# Altium PCB PCB2.PcbDoc (part 1 of 5) (continued)
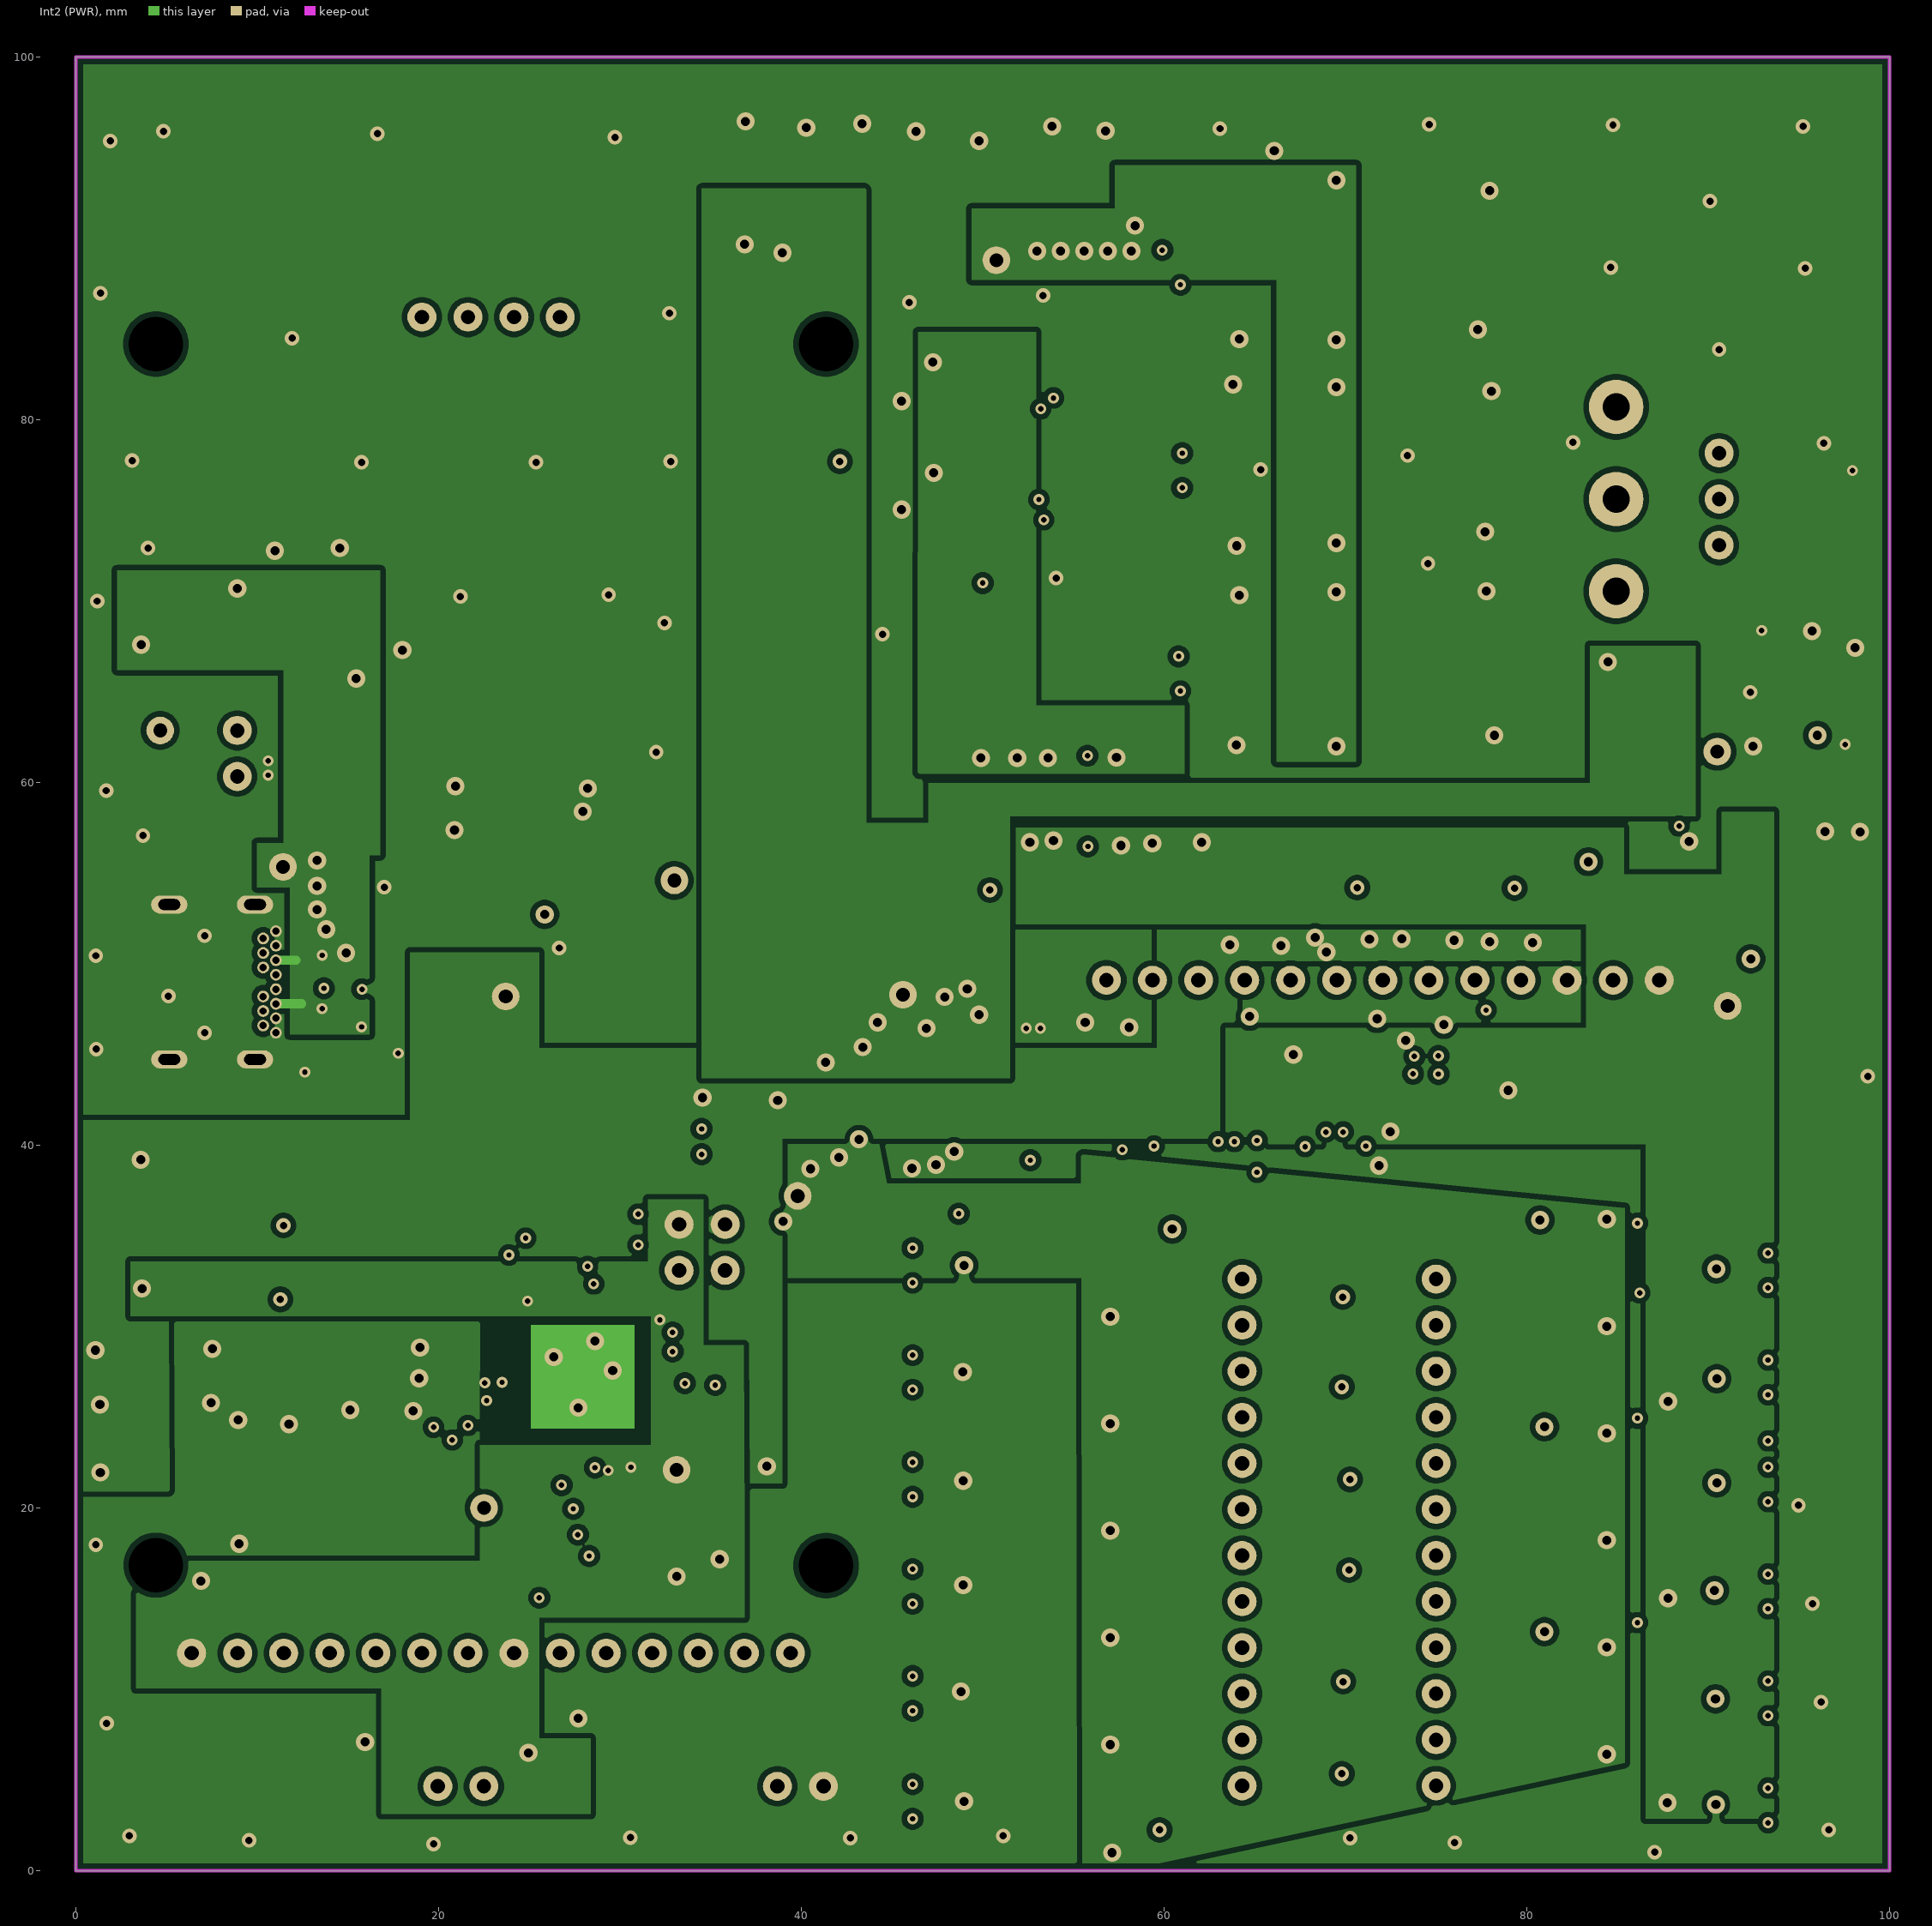
[diagram p3: Int2 (PWR)]
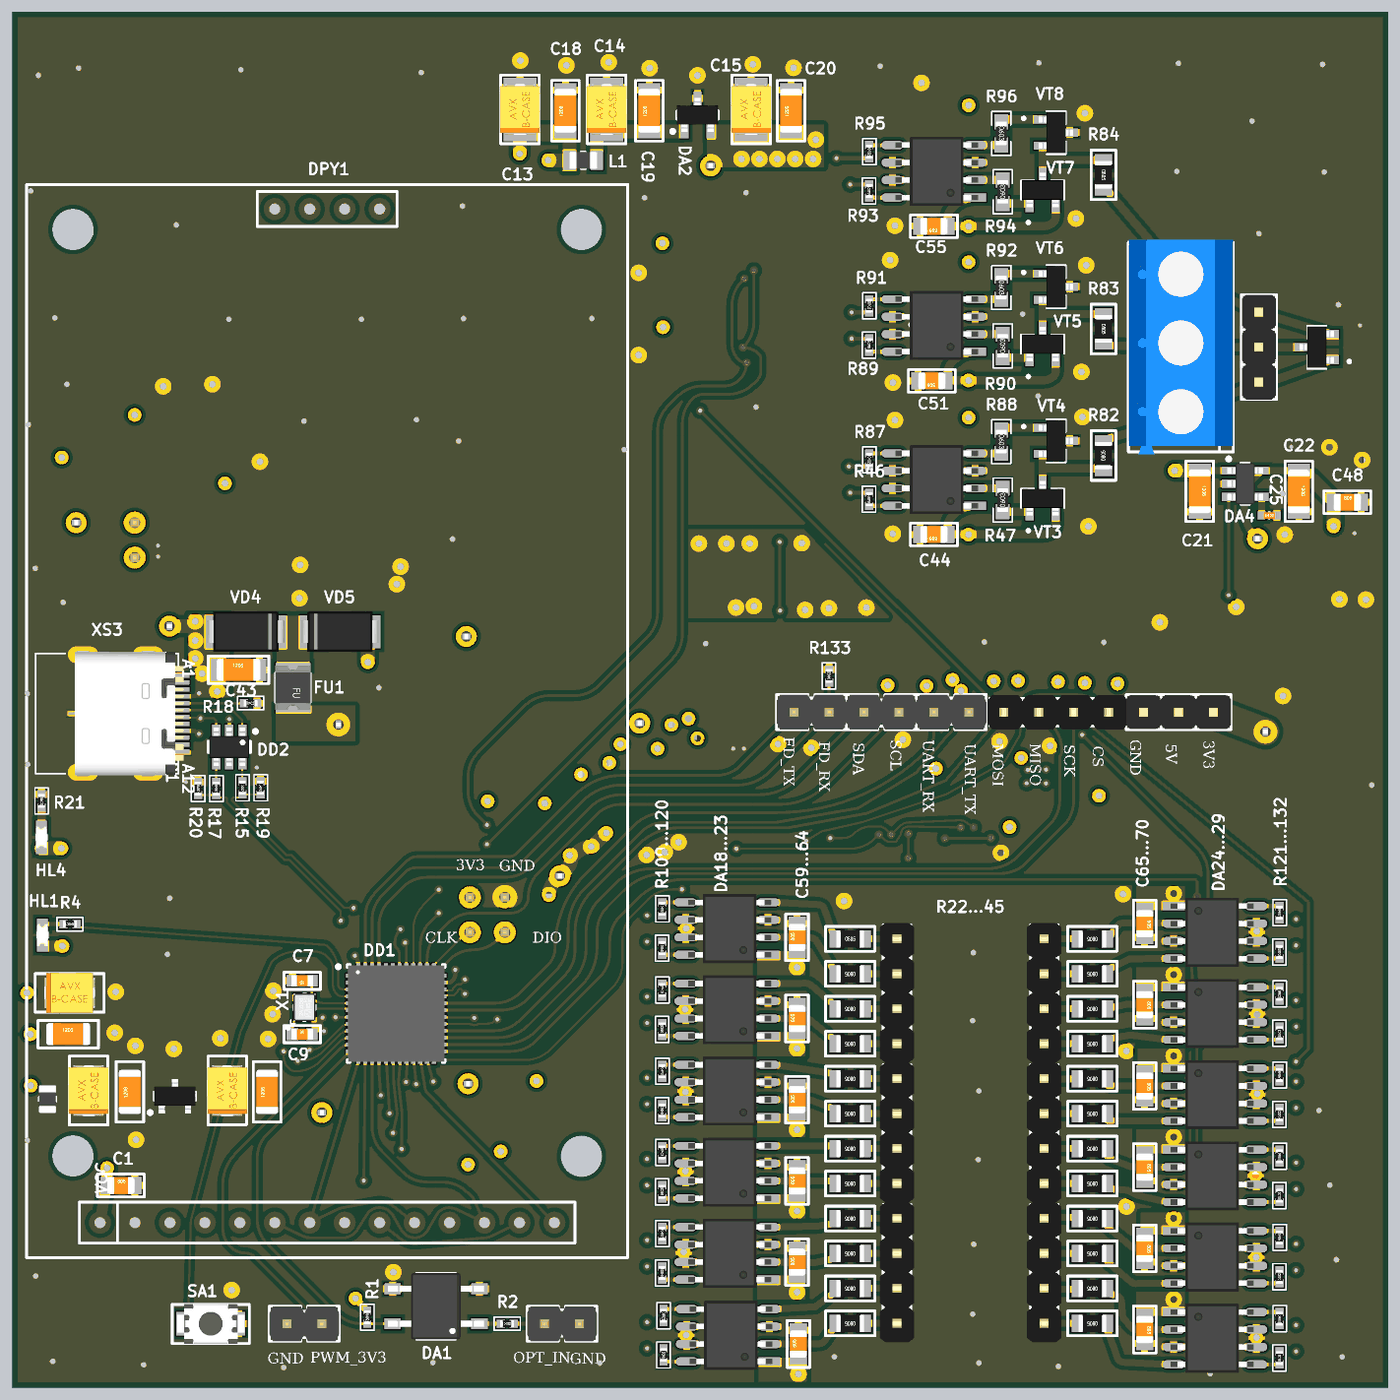
[diagram p8: 3D render of the assembled board from above, using the file's embedded part models]
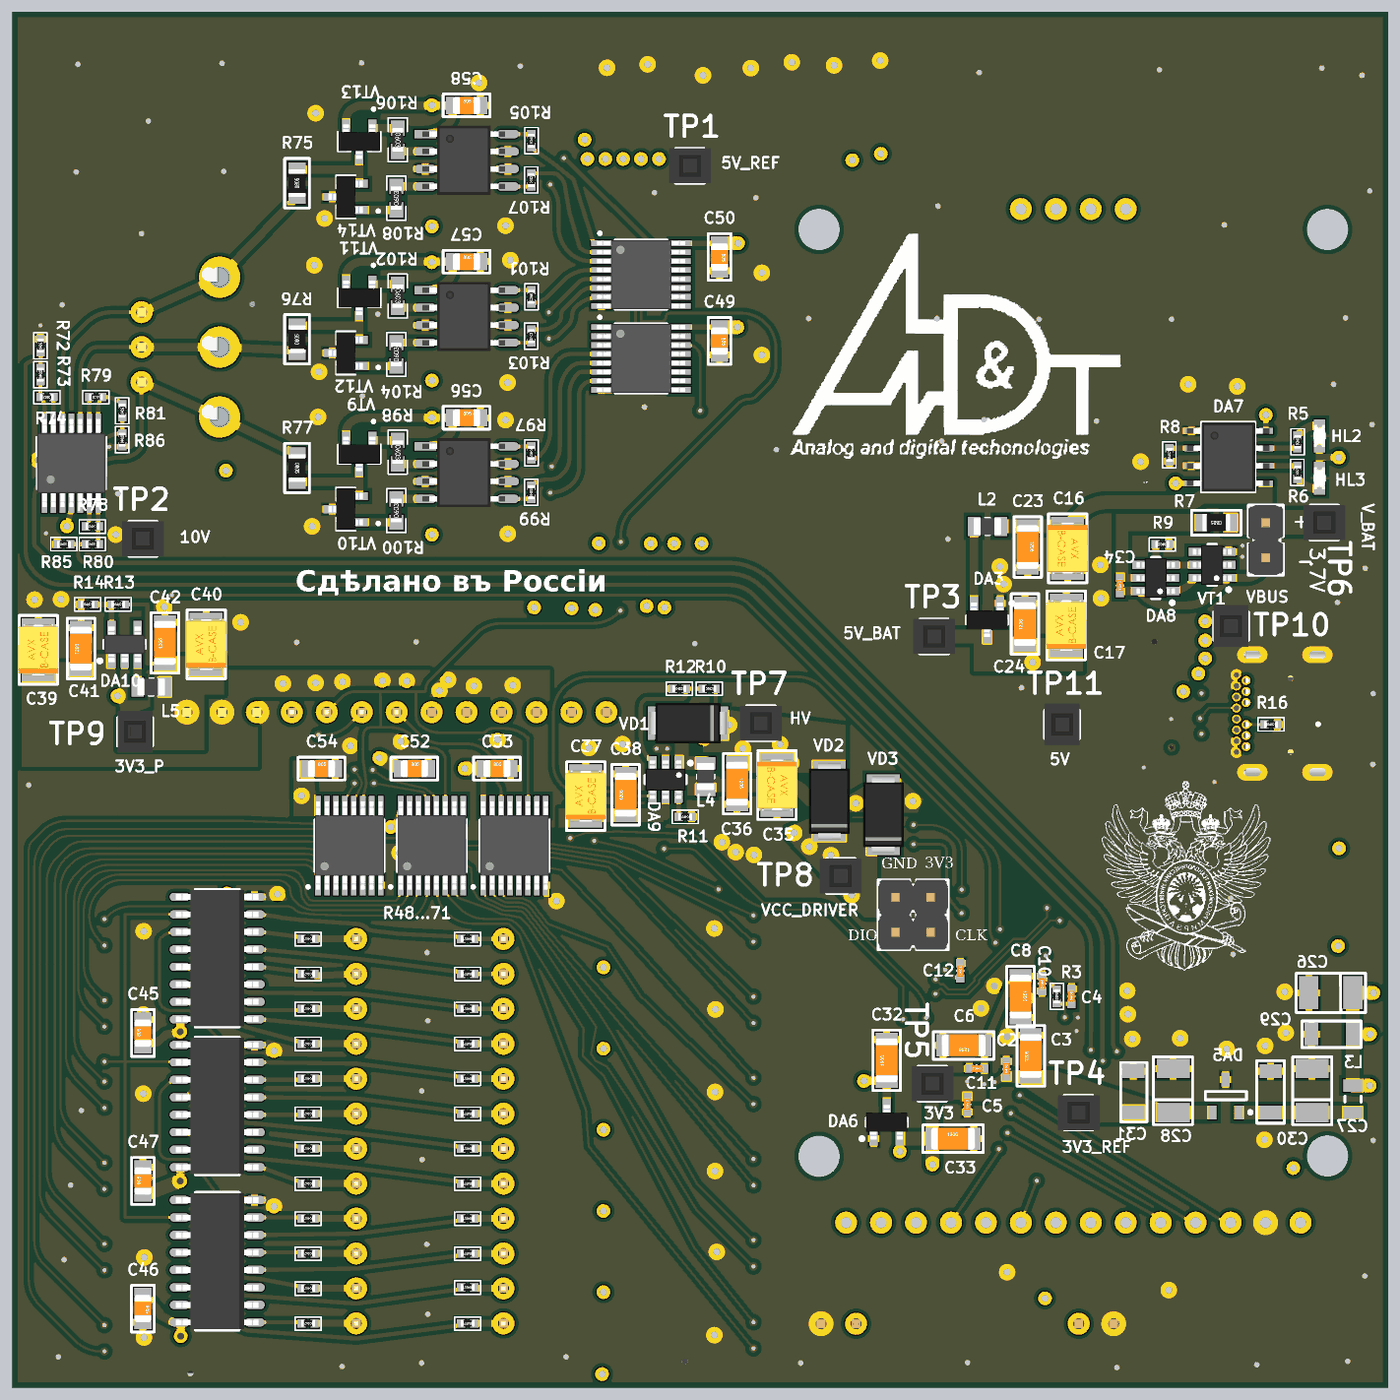
[diagram p9: 3D render of the assembled board from below, using the file's embedded part models]

## Layer stack, top to bottom
Top Solder: solder mask 0.0254, SM-001, Dk 4
Top Layer: signal copper 0.035
Dielectric 1: prepreg 0.1, PP-017, Dk 4.3
Dielectric 2: prepreg 0.1, PP-017, Dk 4.3
Int1 (GND): signal copper 0.035
Dielectric 3: core 1.065, Core-039, Dk 4.8
Int2 (PWR): signal copper 0.035
Dielectric 4: prepreg 0.1, PP-017, Dk 4.3
Dielectric 5: prepreg 0.1, PP-017, Dk 4.3
Bottom Layer: signal copper 0.035
Bottom Solder: solder mask 0.0254, SM-001, Dk 4

## Board outline
0,0 0,100 100,100 100,0

## Design rules (kind name [scope] priority, off if disabled: settings)
Clearance [All] p1: gap=0.15 ignorepadtopadclearanceinfootprint=FALSE except(0.3: Arc-Fill Arc-Poly Arc-Region Track-Fill Track-Poly Track-Region SMDPad-Fill SMDPad-Poly SMDPad-Region THPad-Fill THPad-Poly THPad-Region Via-Fill Via-Poly Via-Region Fill-Fill Fill-Poly Fill-Region Poly-Poly Poly-Region Region-Region)
ComponentClearance "Schematic Component Clearance Constraint_35" [InComponent('C51')] p1: gap=0.254 collisioncheckmode=3 verticalgap=0.254 showdistances=FALSE
ComponentClearance "Schematic Component Clearance Constraint_32" [InComponent('C56')] p2: gap=0.254 collisioncheckmode=3 verticalgap=0.254 showdistances=FALSE
ComponentClearance "Schematic Component Clearance Constraint_45" [InComponent('C60')] p3: gap=0.254 collisioncheckmode=3 verticalgap=0.254 showdistances=FALSE
ComponentClearance "Schematic Component Clearance Constraint_30" [InComponent('C55')] p4: gap=0.254 collisioncheckmode=3 verticalgap=0.254 showdistances=FALSE
ComponentClearance cont_clearance [InComponentClass('test_cont') vs InComponentClass('test_cont')] p5: gap=0 collisioncheckmode=3 verticalgap=0 showdistances=FALSE
ComponentClearance "Schematic Component Clearance Constraint_62" [InComponent('C44')] p6: gap=0.254 collisioncheckmode=3 verticalgap=0.254 showdistances=FALSE
ComponentClearance "Schematic Component Clearance Constraint_61" [InComponent('C57')] p7: gap=0.254 collisioncheckmode=3 verticalgap=0.254 showdistances=FALSE
ComponentClearance "Schematic Component Clearance Constraint_60" [InComponent('C50')] p8: gap=0.254 collisioncheckmode=3 verticalgap=0.254 showdistances=FALSE
ComponentClearance "Schematic Component Clearance Constraint_57" [InComponent('C67')] p9: gap=0.254 collisioncheckmode=3 verticalgap=0.254 showdistances=FALSE
ComponentClearance "Schematic Component Clearance Constraint_55" [InComponent('C66')] p10: gap=0.254 collisioncheckmode=3 verticalgap=0.254 showdistances=FALSE
ComponentClearance "Schematic Component Clearance Constraint_54" [InComponent('C65')] p11: gap=0.254 collisioncheckmode=3 verticalgap=0.254 showdistances=FALSE
ComponentClearance "Schematic Component Clearance Constraint_53" [InComponent('C64')] p12: gap=0.254 collisioncheckmode=3 verticalgap=0.254 showdistances=FALSE
ComponentClearance "Schematic Component Clearance Constraint_52" [InComponent('C58')] p13: gap=0.254 collisioncheckmode=3 verticalgap=0.254 showdistances=FALSE
ComponentClearance "Schematic Component Clearance Constraint_48" [InComponent('C68')] p14: gap=0.254 collisioncheckmode=3 verticalgap=0.254 showdistances=FALSE
ComponentClearance "Schematic Component Clearance Constraint_47" [InComponent('C59')] p15: gap=0.254 collisioncheckmode=3 verticalgap=0.254 showdistances=FALSE
ComponentClearance "Schematic Component Clearance Constraint_46" [InComponent('C69')] p16: gap=0.254 collisioncheckmode=3 verticalgap=0.254 showdistances=FALSE
ComponentClearance "Schematic Component Clearance Constraint_42" [InComponent('C58')] p17: gap=0.254 collisioncheckmode=3 verticalgap=0.254 showdistances=FALSE
ComponentClearance "Schematic Component Clearance Constraint_34" [InComponent('C63')] p18: gap=0.254 collisioncheckmode=3 verticalgap=0.254 showdistances=FALSE
ComponentClearance "Schematic Component Clearance Constraint_33" [InComponent('C62')] p19: gap=0.254 collisioncheckmode=3 verticalgap=0.254 showdistances=FALSE
ComponentClearance "Schematic Component Clearance Constraint_31" [InComponent('C61')] p20: gap=0.254 collisioncheckmode=3 verticalgap=0.254 showdistances=FALSE
ComponentClearance "Schematic Component Clearance Constraint_59" [InComponent('C45')] p21: gap=0.254 collisioncheckmode=3 verticalgap=0.254 showdistances=FALSE
ComponentClearance "Schematic Component Clearance Constraint_58" [InComponent('C47')] p22: gap=0.254 collisioncheckmode=3 verticalgap=0.254 showdistances=FALSE
ComponentClearance "Schematic Component Clearance Constraint_56" [InComponent('C46')] p23: gap=0.254 collisioncheckmode=3 verticalgap=0.254 showdistances=FALSE
ComponentClearance "Schematic Component Clearance Constraint_51" [InComponent('C49')] p24: gap=0.254 collisioncheckmode=3 verticalgap=0.254 showdistances=FALSE
ComponentClearance "Schematic Component Clearance Constraint_50" [InComponent('C48')] p25: gap=0.254 collisioncheckmode=3 verticalgap=0.254 showdistances=FALSE
ComponentClearance "Schematic Component Clearance Constraint_49" [InComponent('C5')] p26: gap=0.254 collisioncheckmode=3 verticalgap=0.254 showdistances=FALSE
ComponentClearance "Schematic Component Clearance Constraint_44" [InComponent('C53')] p27: gap=0.254 collisioncheckmode=3 verticalgap=0.254 showdistances=FALSE
ComponentClearance "Schematic Component Clearance Constraint_43" [InComponent('C52')] p28: gap=0.254 collisioncheckmode=3 verticalgap=0.254 showdistances=FALSE
ComponentClearance "Schematic Component Clearance Constraint_40" [InComponent('C54')] p29: gap=0.254 collisioncheckmode=3 verticalgap=0.254 showdistances=FALSE
ComponentClearance "Schematic Component Clearance Constraint_29" [InComponent('C25')] p30: gap=0.254 collisioncheckmode=3 verticalgap=0.254 showdistances=FALSE
ComponentClearance "Schematic Component Clearance Constraint_28" [InComponent('C41')] p31: gap=0.254 collisioncheckmode=3 verticalgap=0.254 showdistances=FALSE
ComponentClearance "Schematic Component Clearance Constraint_27" [InComponent('C32')] p32: gap=0.254 collisioncheckmode=3 verticalgap=0.254 showdistances=FALSE
ComponentClearance "Schematic Component Clearance Constraint_26" [InComponent('C38')] p33: gap=0.254 collisioncheckmode=3 verticalgap=0.254 showdistances=FALSE
ComponentClearance "Schematic Component Clearance Constraint_25" [InComponent('C33')] p34: gap=0.254 collisioncheckmode=3 verticalgap=0.254 showdistances=FALSE
ComponentClearance "Schematic Component Clearance Constraint_24" [InComponent('C24')] p35: gap=0.254 collisioncheckmode=3 verticalgap=0.254 showdistances=FALSE
ComponentClearance "Schematic Component Clearance Constraint_23" [InComponent('C36')] p36: gap=0.254 collisioncheckmode=3 verticalgap=0.254 showdistances=FALSE
ComponentClearance "Schematic Component Clearance Constraint_22" [InComponent('C31')] p37: gap=0.254 collisioncheckmode=3 verticalgap=0.254 showdistances=FALSE
ComponentClearance "Schematic Component Clearance Constraint_21" [InComponent('C20')] p38: gap=0.254 collisioncheckmode=3 verticalgap=0.254 showdistances=FALSE
ComponentClearance "Schematic Component Clearance Constraint_20" [InComponent('C21')] p39: gap=0.254 collisioncheckmode=3 verticalgap=0.254 showdistances=FALSE
ComponentClearance "Schematic Component Clearance Constraint_19" [InComponent('C23')] p40: gap=0.254 collisioncheckmode=3 verticalgap=0.254 showdistances=FALSE
ComponentClearance "Schematic Component Clearance Constraint_18" [InComponent('C34')] p41: gap=0.254 collisioncheckmode=3 verticalgap=0.254 showdistances=FALSE
ComponentClearance "Schematic Component Clearance Constraint_17" [InComponent('C29')] p42: gap=0.254 collisioncheckmode=3 verticalgap=0.254 showdistances=FALSE
ComponentClearance "Schematic Component Clearance Constraint_16" [InComponent('C19')] p43: gap=0.254 collisioncheckmode=3 verticalgap=0.254 showdistances=FALSE
ComponentClearance "Schematic Component Clearance Constraint_15" [InComponent('C18')] p44: gap=0.254 collisioncheckmode=3 verticalgap=0.254 showdistances=FALSE
ComponentClearance "Schematic Component Clearance Constraint_14" [InComponent('C6')] p45: gap=0.254 collisioncheckmode=3 verticalgap=0.254 showdistances=FALSE
ComponentClearance "Schematic Component Clearance Constraint_13" [InComponent('C9')] p46: gap=0.254 collisioncheckmode=3 verticalgap=0.254 showdistances=FALSE
ComponentClearance "Schematic Component Clearance Constraint_12" [InComponent('C11')] p47: gap=0.254 collisioncheckmode=3 verticalgap=0.254 showdistances=FALSE
ComponentClearance "Schematic Component Clearance Constraint_11" [InComponent('C12')] p48: gap=0.254 collisioncheckmode=3 verticalgap=0.254 showdistances=FALSE
ComponentClearance "Schematic Component Clearance Constraint_10" [InComponent('C8')] p49: gap=0.254 collisioncheckmode=3 verticalgap=0.254 showdistances=FALSE
ComponentClearance "Schematic Component Clearance Constraint_9" [InComponent('C4')] p50: gap=0.254 collisioncheckmode=3 verticalgap=0.254 showdistances=FALSE
ComponentClearance "Schematic Component Clearance Constraint_8" [InComponent('C3')] p51: gap=0.254 collisioncheckmode=3 verticalgap=0.254 showdistances=FALSE
ComponentClearance "Schematic Component Clearance Constraint_7" [InComponent('C1')] p52: gap=0.254 collisioncheckmode=3 verticalgap=0.254 showdistances=FALSE
ComponentClearance "Schematic Component Clearance Constraint_6" [InComponent('C42')] p53: gap=0.254 collisioncheckmode=3 verticalgap=0.254 showdistances=FALSE
ComponentClearance "Schematic Component Clearance Constraint_5" [InComponent('C43')] p54: gap=0.254 collisioncheckmode=3 verticalgap=0.254 showdistances=FALSE
ComponentClearance "Schematic Component Clearance Constraint_4" [InComponent('C30')] p55: gap=0.254 collisioncheckmode=3 verticalgap=0.254 showdistances=FALSE
ComponentClearance "Schematic Component Clearance Constraint_3" [InComponent('C22')] p56: gap=0.254 collisioncheckmode=3 verticalgap=0.254 showdistances=FALSE
ComponentClearance "Schematic Component Clearance Constraint_2" [InComponent('C7')] p57: gap=0.254 collisioncheckmode=3 verticalgap=0.254 showdistances=FALSE
ComponentClearance "Schematic Component Clearance Constraint_1" [InComponent('C10')] p58: gap=0.254 collisioncheckmode=3 verticalgap=0.254 showdistances=FALSE
ComponentClearance "Schematic Component Clearance Constraint" [InComponent('C2')] p59: gap=0.254 collisioncheckmode=3 verticalgap=0.254 showdistances=FALSE
ComponentClearance [All] p60: gap=0.8 collisioncheckmode=3 verticalgap=0.254 showdistances=FALSE
DiffPairsRouting [InDifferentialPair('USB')] p1: maxlimit=0.254 minlimit=0.2 mostfreqgap=0.254 toplayer_prefgap=0.2 toplayer_minwidth=0.15 toplayer_maxwidth=0.3 toplayer_prefwidth=0.15 midlayer1_mingap=0.254 midlayer1_minwidth=0.381 midlayer1_maxwidth=0.381 midlayer1_prefwidth=0.381 midlayer2_mingap=0.254 midlayer2_minwidth=0.381 midlayer2_maxwidth=0.381 midlayer2_prefwidth=0.381 bottomlayer_prefgap=0.2 bottomlayer_minwidth=0.15 bottomlayer_maxwidth=0.3 bottomlayer_prefwidth=0.15 maxuncoupledlength=12.7
PolygonConnect [All] p1: thpad.connectstyle=Direct thpad.reliefconductorwidth=0.254 thpad.reliefentries=4 thpad.polygonreliefangle="90 Angle" thpad.airgapwidth=0.254 smdpad.connectstyle=Relief smdpad.reliefconductorwidth=0.5 smdpad.reliefentries=4 smdpad.polygonreliefangle="90 Angle" smdpad.airgapwidth=0.2 via.connectstyle=Direct via.reliefconductorwidth=0.254 via.reliefentries=4 via.polygonreliefangle="90 Angle" via.airgapwidth=0.254
RoomDefinition rg6 [InComponentClass('rg6')] p1: confinementstyle=ConfineIn formatcopy=TRUE lockcomponents=FALSE outline 77.782,94.19 61.682,94.19 61.682,83.49 77.782,83.49
RoomDefinition rg4 [InComponentClass('rg4')] p2: confinementstyle=ConfineIn formatcopy=TRUE lockcomponents=FALSE outline 77.782,71.49 61.682,71.49 61.682,60.79 77.782,60.79
RoomDefinition rg1 [InComponentClass('rg1')] p3: confinementstyle=ConfineIn formatcopy=FALSE lockcomponents=FALSE outline 61.682,61.015 77.782,61.015 77.782,71.715 61.682,71.715
RoomDefinition rg2 [InComponentClass('rg2')] p4: confinementstyle=ConfineIn formatcopy=FALSE lockcomponents=FALSE outline 61.682,72.215 77.782,72.215 77.782,82.915 61.682,82.915
RoomDefinition rg3 [InComponentClass('rg3')] p5: confinementstyle=ConfineIn formatcopy=FALSE lockcomponents=FALSE outline 61.682,83.415 77.782,83.415 77.782,94.115 61.682,94.115
RoomDefinition rg5 [InComponentClass('rg5')] p6: confinementstyle=ConfineIn formatcopy=TRUE lockcomponents=FALSE outline 77.782,82.99 61.682,82.99 61.682,72.14 77.782,72.14
RoomDefinition ig7 [InComponentClass('ig7')] p7: confinementstyle=ConfineIn formatcopy=TRUE lockcomponents=FALSE outline 94,6.4 80.8,6.4 80.8,1 94,1
RoomDefinition ig8 [InComponentClass('ig8')] p8: confinementstyle=ConfineIn formatcopy=TRUE lockcomponents=FALSE outline 94,12.3 80.8,12.3 80.8,6.9 94,6.9
RoomDefinition ig9 [InComponentClass('ig9')] p9: confinementstyle=ConfineIn formatcopy=TRUE lockcomponents=FALSE outline 94,18.2 80.8,18.2 80.8,12.8 94,12.8
RoomDefinition ig10 [InComponentClass('ig10')] p10: confinementstyle=ConfineIn formatcopy=TRUE lockcomponents=FALSE outline 94,24.1 80.8,24.1 80.8,18.7 94,18.7
RoomDefinition ig11 [InComponentClass('ig11')] p11: confinementstyle=ConfineIn formatcopy=TRUE lockcomponents=FALSE outline 94,30 80.8,30 80.8,24.6 94,24.6
RoomDefinition ig12 [InComponentClass('ig12')] p12: confinementstyle=ConfineIn formatcopy=TRUE lockcomponents=FALSE outline 94,35.9 80.8,35.9 80.8,30.5 94,30.5
RoomDefinition ig6 [InComponentClass('ig6')] p13: confinementstyle=ConfineIn formatcopy=TRUE lockcomponents=FALSE outline 45.335,30.571 58.535,30.571 58.535,35.971 45.335,35.971
RoomDefinition ig5 [InComponentClass('ig5')] p14: confinementstyle=ConfineIn formatcopy=TRUE lockcomponents=FALSE outline 45.335,24.671 58.535,24.671 58.535,30.071 45.335,30.071
RoomDefinition ig4 [InComponentClass('ig4')] p15: confinementstyle=ConfineIn formatcopy=TRUE lockcomponents=FALSE outline 45.335,18.771 58.535,18.771 58.535,24.171 45.335,24.171